# Altium PCB RTM_SFP.PcbDoc (part 4 of 17) (continued)
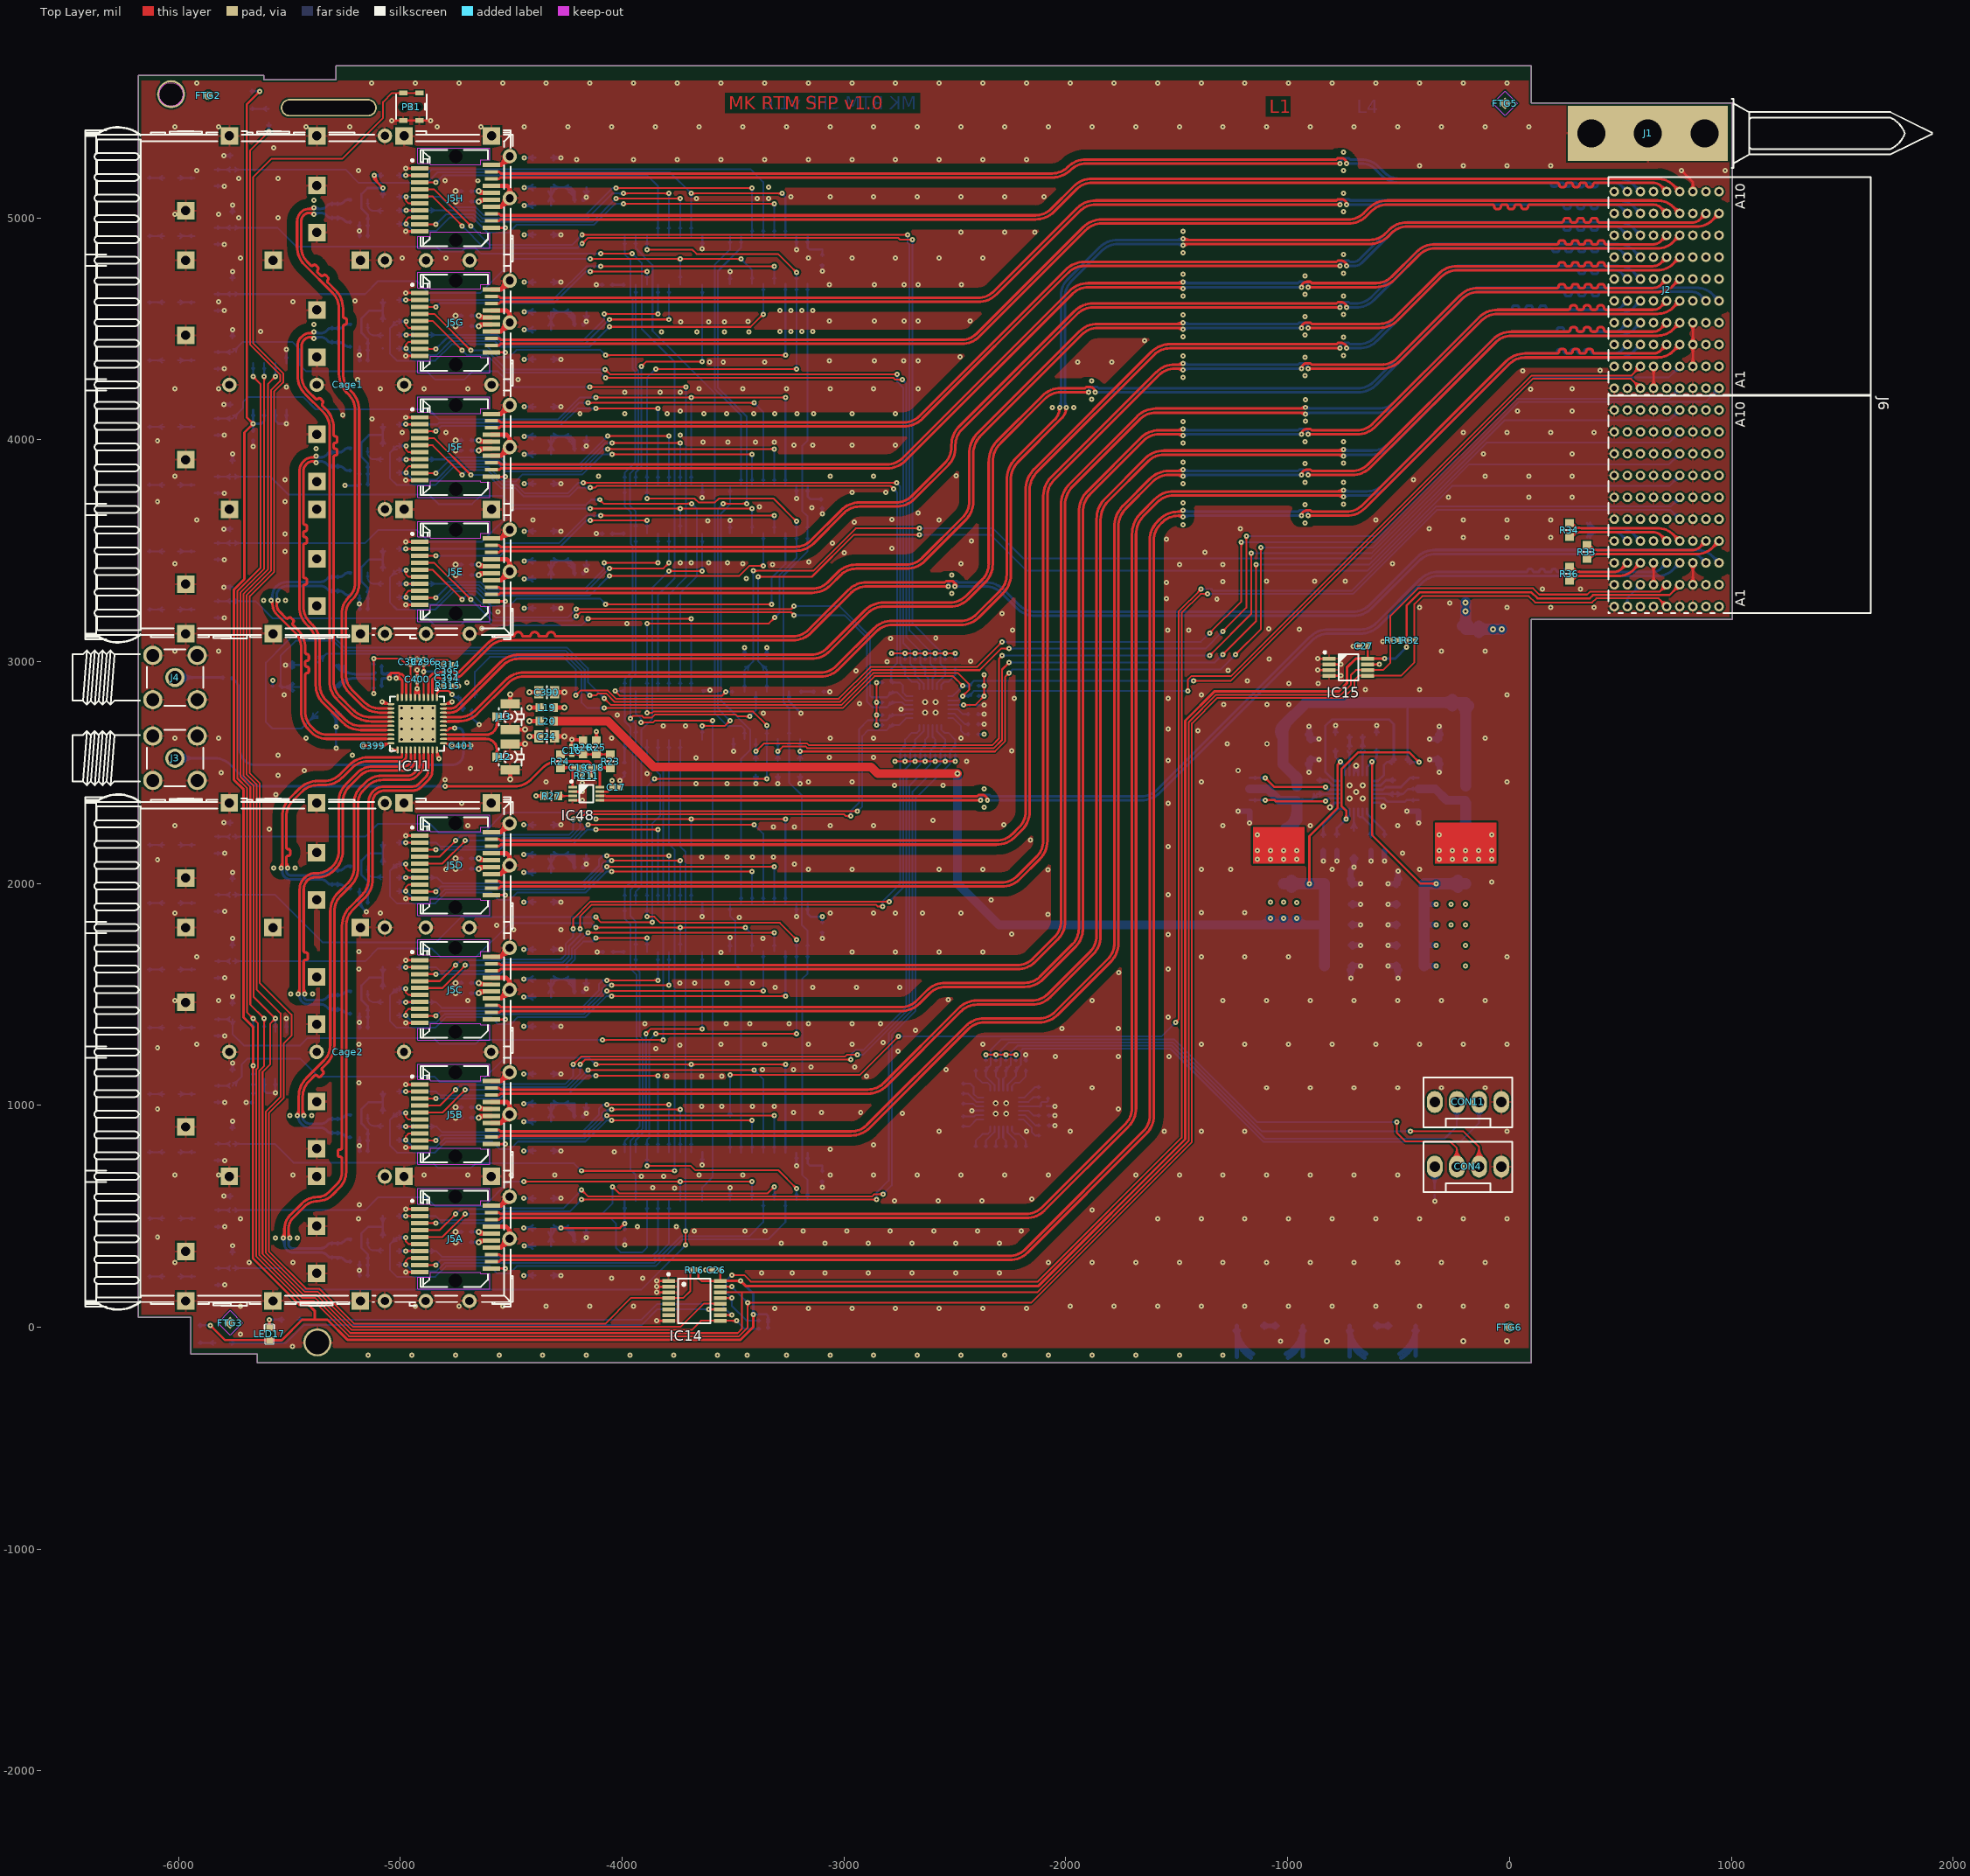
[diagram p0: Top Layer view]
## Nets (pads, with @x,y where several pads share a name; then routed paths per layer and width w, separated by ;. In a path a pad name is that pad's centre, name@x,y a point inside that pad or via, vN(x,y) a via of type N, cw(c..) or ccw(c..) an arc to the next point about the centre after c; other vN are vias at no path point) (continued)
C186D.2@-4168.45,2080.13 ; C186E.2@-4179.13,3392.91 v1@-4161.42,3410.63 ; C186E.2@-4179.13,3400.12 ccw(c-4179.13,3417.51) -4166.83,3405.21 ccw(c-4154.54,3392.91) C186E.2@-4171.93,3392.91 ; C186F.2@-4179.13,3953.94 v1@-4161.42,3971.65 ; C186F.2@-4179.13,3960.75 ccw(c-4179.13,3977.19) C186F.2@-4167.51,3965.56 ; C186G.2@-4179.13,4514.96 v1@-4161.42,4532.68 ; C186G.2@-4179.13,4521.77 ccw(c-4179.13,4538.21) C186G.2@-4167.51,4526.59 ; C186H.2@-4179.13,5075.98 v1(-4161.42,5093.7) ; C186H.2@-4179.13,5083.19 ccw(c-4179.13,5100.58) -4166.84,5088.28 ccw(c-4154.53,5075.98) C186H.2@-4171.93,5075.98 ; C186H.2@-4177.27,5082.94 ccw(c-4174.74,5092.39) C186H.2@-4169.85,5083.92 ; C186B.2@-4176.41,953.49 ccw(c-4184.15,966.9) v1@-4168.75,965.28 ; C186C.2@-4176.41,1514.52 ccw(c-4184.15,1527.93) v1@-4168.75,1526.3 ; C186D.2@-4176.41,2075.54 ccw(c-4184.15,2088.95) v1@-4168.75,2087.32 ; C186A.2@-4176.37,392.61 ccw(c-4184.79,407.2) v1@-4168.15,404.6 ; C186F.2@-4175.89,3960.72 ccw(c-4184.21,3975.13) v1@-4167.76,3972.66 ; C186G.2@-4175.89,4521.75 ccw(c-4184.21,4536.15) v1@-4167.76,4533.69 ; C186E.2@-4175.69,3400.1 ccw(c-4183.76,3414.06) v1@-4167.77,3411.93 ; C186H.2@-4175.62,5083.21 ccw(c-4183.17,5096.28) v1@-4168.18,5094.5 ; C186B.2@-4174.47,955.51 cw(c-4167.14,948.18) v1@-4164.02,958.06 ; C186C.2@-4174.47,1516.53 cw(c-4167.14,1509.2) v1@-4164.02,1519.09 ; C186D.2@-4174.47,2077.55 cw(c-4167.14,2070.22) v1@-4164.02,2080.11 ; C186A.2@-4174.17,394.68 cw(c-4166.96,387.47) v1@-4163.64,397.11 ; C186F.2@-4173.71,3962.78 cw(c-4166.52,3955.6) v1@-4163.23,3965.21 ; C186G.2@-4173.71,4523.81 cw(c-4166.52,4516.62) v1@-4163.23,4526.23 ; C186H.2@-4173.6,5085.1 cw(c-4166.94,5078.44) v1@-4163.74,5087.3 ; C186E.2@-4173.53,3402.13 cw(c-4166.39,3394.99) v1@-4163.19,3404.57 ; C13A.2@-4172.48,428.86 cw(c-4197.75,403.53) v1@-4161.98,403.53 ; C13B.2@-4172.48,989.88 cw(c-4197.75,964.56) v1(-4161.98,964.56) ; C13C.2@-4172.48,1550.91 cw(c-4197.75,1525.58) v1@-4161.98,1525.58 ; C13D.2@-4172.48,2111.93 cw(c-4197.75,2086.6) v1(-4161.98,2086.61) cw(c-4128.66,2086.6) C13D.2@-4150.94,2111.37 ; C186A.2@-4172.35,384.86 cw(c-4157.14,383.63) v1@-4164.77,396.85 ; C186A.2@-4172.32,385.43 cw(c-4153.6,385.43) v1@-4166.84,398.67 ; C186A.2@-4172.34,389.15 cw(c-4158.97,381.43) v1@-4160.67,396.77 ; C186B.2@-4172.17,948.32 cw(c-4160.49,951.45) C186B.2@-4170.97,957.5 ; C186C.2@-4172.17,1509.35 cw(c-4160.49,1512.48) C186C.2@-4170.97,1518.52 ; C186D.2@-4172.17,2070.37 cw(c-4160.49,2073.5) C186D.2@-4170.97,2079.55 ; C13E.2@-4172.19,3435.67 cw(c-4195.9,3410.63) v1@-4161.42,3410.63 ; C13F.2@-4172.19,3996.69 cw(c-4195.9,3971.66) v1@-4161.42,3971.66 ; C13G.2@-4172.19,4557.72 cw(c-4195.9,4532.68) v1@-4161.42,4532.68 ; C186H.2@-4172.17,5077.85 cw(c-4162.72,5080.38) C186H.2@-4171.2,5085.27 ; C13H.2@-4172.19,5118.74 cw(c-4195.9,5093.7) v1(-4161.42,5093.7) ; C186E.2@-4171.97,3392.18 cw(c-4156.14,3390.56) v1@-4164.09,3404.34 ; C186E.2@-4171.95,3396.35 cw(c-4157.99,3388.29) v1@-4160.12,3404.27 ; C186F.2@-4171.96,3952.92 cw(c-4156.57,3951.59) v1@-4164.29,3964.96 ; C186F.2@-4171.94,3957.18 cw(c-4158.41,3949.37) v1@-4160.23,3964.89 ; C186G.2@-4171.96,4513.94 cw(c-4156.57,4512.61) v1@-4164.29,4525.99 ; C186G.2@-4171.94,4518.2 cw(c-4158.41,4510.39) v1@-4160.23,4525.91 ; C186H.2@-4171.96,5075.36 cw(c-4157.11,5074.06) v1@-4164.56,5086.97 ; C186B.2@-4171.93,946.19 cw(c-4157.68,945.65) v1@-4164.81,958.01 ; C186B.2@-4171.93,946.46 cw(c-4152.25,946.46) v1@-4166.17,960.37 ; C186C.2@-4171.93,1507.21 cw(c-4157.68,1506.68) v1@-4164.81,1519.03 ; C186C.2@-4171.93,1507.48 cw(c-4152.25,1507.48) v1@-4166.17,1521.39 ; C186D.2@-4171.93,2068.23 cw(c-4157.68,2067.7) v1@-4164.81,2080.06 ; C186D.2@-4171.93,2068.5 cw(c-4152.25,2068.5) v1@-4166.17,2082.42 ; C186F.2@-4171.93,3953.54 cw(c-4153.58,3953.54) v1@-4166.56,3966.52 ; C186G.2@-4171.93,4514.57 cw(c-4153.58,4514.57) v1@-4166.56,4527.54 ; C186H.2@-4171.91,5079.5 cw(c-4158.84,5071.95) v1@-4160.61,5086.94 ; C186B.2@-4171.7,950.78 cw(c-4159.35,943.65) v1@-4161.13,957.8 ; C186C.2@-4171.7,1511.81 cw(c-4159.35,1504.68) v1@-4161.13,1518.83 ; C186D.2@-4171.7,2072.83 cw(c-4159.35,2065.7) v1@-4161.13,2079.85 ; C186H.2@-4170.52,5086.16 cw(c-4165.68,5077.78) v1@-4163.18,5087.12 ; C186A.2@-4170.35,391.26 ccw(c-4177.45,398.36) v1@-4167.9,401.45 ; C186H.2@-4170.01,5081.52 ccw(c-4176.67,5088.17) v1@-4167.82,5091.38 ; C186F.2@-4169.94,3959.31 ccw(c-4177.05,3966.42) v1@-4167.5,3969.54 ; C186G.2@-4169.94,4520.33 ccw(c-4177.05,4527.44) v1@-4167.5,4530.56 ; C186E.2@-4169.92,3398.51 ccw(c-4177.06,3405.65) v1@-4167.48,3408.86 ; C186B.2@-4169.67,954.29 ccw(c-4179.38,959.9) v1@-4168.56,962.8 ; C186C.2@-4169.67,1515.32 ccw(c-4179.38,1520.92) v1@-4168.56,1523.82 ; C186D.2@-4169.67,2076.34 ccw(c-4179.38,2081.94) v1@-4168.56,2084.84 ; C186H.2@-4168.96,5084.6 ccw(c-4177.34,5089.44) v1@-4168,5091.94 ; v1@-4167.87,967.96 ccw(c-4182.11,976.18) -4166.23,980.44 ccw(c-4150.35,984.7) v1@-4158.57,970.46 ; v1@-4167.87,1528.99 ccw(c-4182.11,1537.21) -4166.23,1541.46 ccw(c-4150.35,1545.72) v1@-4158.57,1531.48 ; v1@-4167.87,2090.01 ccw(c-4182.11,2098.23) -4166.23,2102.49 ccw(c-4150.35,2106.75) v1@-4158.57,2092.51 ; v1@-4167.32,406.95 ccw(c-4179.95,414.24) -4165.86,418.02 ; v1@-4167.32,5097.11 ccw(c-4181.56,5105.33) -4165.67,5109.59 ccw(c-4149.79,5113.84) v1@-4158.01,5099.6 ; v1@-4166.92,3414.43 ccw(c-4179.74,3421.83) -4165.44,3425.66 ; v1@-4166.92,3975.06 ccw(c-4180.04,3982.63) -4165.41,3986.55 ; v1@-4166.92,4536.08 ccw(c-4180.04,4543.66) -4165.41,4547.58 ; C13A.2@-4166.54,420.55 ccw(c-4148.86,425.29) v1@-4158.01,409.44 ; C13E.2@-4166.05,3427.9 ccw(c-4148.57,3432.59) v1@-4157.62,3416.92 ; C13F.2@-4165.88,3988.32 ccw(c-4148.75,3992.91) v1@-4157.62,3977.55 ; C13G.2@-4165.88,4549.35 ccw(c-4148.75,4553.94) v1@-4157.62,4538.58 ; v1@-4165.38,970.46 ccw(c-4173.6,984.7) -4157.72,980.44 ccw(c-4141.84,976.18) v1@-4156.08,967.96 ; v1@-4165.38,1531.48 ccw(c-4173.6,1545.72) -4157.72,1541.47 ccw(c-4141.84,1537.21) v1@-4156.08,1528.99 ; v1@-4165.38,2092.51 ccw(c-4173.6,2106.75) -4157.72,2102.49 ccw(c-4141.84,2098.23) v1@-4156.08,2090.01 ; v1@-4164.82,409.44 ccw(c-4172.13,422.09) -4158.02,418.31 ; v1@-4164.82,5099.6 ccw(c-4173.04,5113.84) -4157.16,5109.58 ccw(c-4141.28,5105.33) v1@-4155.52,5097.11 ; v1@-4164.43,3416.92 ccw(c-4172.17,3430.34) -4157.21,3426.33 ; v1@-4164.43,3977.55 ccw(c-4172,3990.67) -4157.37,3986.75 ; v1@-4164.43,4538.58 ccw(c-4172,4551.69) -4157.37,4547.77 ; C13A.2@-4161.98,446.84 v1@-4161.98,403.54 ; C13B.2@-4161.98,1007.87 v1(-4161.98,964.56) ; C13C.2@-4161.98,1568.89 v1(-4161.98,1525.58) ; C13E.2@-4161.42,3453.94 v1@-4161.42,3410.63 ; C13F.2@-4161.42,4014.96 v1@-4161.42,3971.65 ; C13G.2@-4161.42,4575.98 v1@-4161.42,4532.68 ; C13H.2@-4161.42,5137.01 v1(-4161.42,5093.7) ; C13A.2@-4157.75,419.29 ccw(c-4143.63,415.5) v1@-4155.76,407.34 ; C13F.2@-4156.97,3988.26 ccw(c-4140.47,3983.84) v1@-4155.16,3975.13 ; C13G.2@-4156.97,4549.28 ccw(c-4140.47,4544.86) v1@-4155.16,4536.15 ; C13E.2@-4156.92,3427.4 ccw(c-4140.66,3423.05) v1@-4155.16,3414.49 ; C13A.2@-4150.94,428.3 ccw(c-4128.66,403.53) v1@-4161.98,403.53 ; C13B.2@-4150.94,989.33 ccw(c-4128.66,964.56) v1(-4161.98,964.56) ; C13C.2@-4150.94,1550.35 ccw(c-4128.66,1525.58) v1@-4161.98,1525.58 ; C13E.2@-4150.64,3435.67 ccw(c-4126.94,3410.63) v1@-4161.42,3410.63 ; C13F.2@-4150.64,3996.69 ccw(c-4126.94,3971.66) v1@-4161.42,3971.66 ; C13G.2@-4150.64,4557.72 ccw(c-4126.94,4532.68) v1@-4161.42,4532.68 ; C13H.2@-4150.64,5118.74 ccw(c-4126.94,5093.7) v1(-4161.42,5093.7) ; v1(-4116.14,4698.43) C6.2@-4085.04,4698.43 ; v1(-4116.05,3576.47) C7.2@-4085.04,3576.47 ; v1(-4112.5,1691.43) C22.2@-4081.5,1691.43 ; C7.2@-4090.13,3571.38 ccw(c-4102.43,3559.08) -4102.43,3576.47 ccw(c-4102.43,3593.87) C7.2@-4090.13,3581.57 ; C6.2@-4090.13,4693.33 ccw(c-4102.43,4681.03) -4102.43,4698.43 ccw(c-4102.43,4715.82) C6.2@-4090.13,4703.52 ; C22.2@-4086.59,1686.33 ccw(c-4098.89,1674.03) -4098.89,1691.43 ccw(c-4098.89,1708.82) C22.2@-4086.59,1696.52 ; v1(-4009.45,2464.17) -3990.16,2483.46 C1.2@-3990.16,2503.94 ; C1.2@-3995.25,2498.84 cw(c-4007.55,2486.54) -3990.16,2486.54 cw(c-3972.76,2486.54) C1.2@-3985.06,2498.84 ; C2.2@-3993.87,396.09 cw(c-4006.65,383.31) -3988.58,383.31 ; v1(-3988.58,370.47) C2.2@-3988.58,400.98 ; -3988.58,384.26 cw(c-3971.86,384.26) C2.2@-3983.69,396.09 ; IC8.8@-3643.73,756.43 cw(c-3655.68,744.48) -3638.78,744.48 cw(c-3621.88,744.48) IC8.8@-3633.83,756.43 ; IC6.8@-3643.73,1878.48 cw(c-3655.68,1866.53) -3638.78,1866.53 cw(c-3621.88,1866.53) IC6.8@-3633.83,1878.48 ; IC4.8@-3643.73,3763.52 cw(c-3655.68,3751.57) -3638.78,3751.57 cw(c-3621.88,3751.57) IC4.8@-3633.83,3763.52 ; IC3.8@-3643.73,4885.57 cw(c-3655.68,4873.62) -3638.78,4873.62 cw(c-3621.88,4873.62) IC3.8@-3633.83,4885.57 ; v1(-3638.78,731.9) IC8.8@-3638.78,789.38 ; v1(-3638.78,1850.2) IC6.8@-3638.78,1911.43 ; IC10.8@-3638.78,2871.06 v1(-3604.13,2871.06) ; v1(-3638.78,3738.99) IC4.8@-3638.78,3796.47 ; v1(-3638.78,4861.04) IC3.8@-3638.78,4918.52 ; IC10.8@-3633.83,2862.18 cw(c-3612.38,2840.72) v1@-3612.38,2871.06 ; -3623.98,2867.95 cw(c-3618.81,2848.68) v1@-3607.87,2865.37 ; IC9.8@-3518.99,596.6 ccw(c-3530.62,608.22) -3514.17,608.22 ccw(c-3497.73,608.22) IC9.8@-3509.36,596.6 ; IC7.8@-3518.99,1718.64 ccw(c-3530.62,1730.27) -3514.17,1730.27 ccw(c-3497.73,1730.27) IC7.8@-3509.36,1718.64 ; IC5.8@-3518.99,3603.69 ccw(c-3530.62,3615.32) -3514.17,3615.32 ccw(c-3497.73,3615.32) IC5.8@-3509.36,3603.69 ; IC2.8@-3518.99,4725.74 ccw(c-3530.62,4737.37) -3514.17,4737.37 ccw(c-3497.73,4737.37) IC2.8@-3509.36,4725.74 ; IC9.8@-3514.17,573.08 v1(-3514.17,629.77) ; IC7.8@-3514.17,1695.13 v1(-3514.17,1756.36) ; IC5.8@-3514.17,3580.17 v1(-3514.17,3636.87) ; IC2.8@-3514.17,4702.22 v1(-3514.17,4758.91) ; IC1.7@-3502.85,2628.06 cw(c-3514.47,2616.43) -3498.03,2616.43 cw(c-3481.59,2616.43) IC1.7@-3493.22,2628.06 ; v1(-3498.03,2594.88) IC1.7@-3498.03,2651.57 ; R2.1@-3457.02,3034.58 ccw(c-3478.73,3056.29) -3448.03,3056.29 ccw(c-3417.33,3056.29) R2.1@-3439.04,3034.58 ; v1@-3453.76,3060.1 cw(c-3470.49,3049.33) -3451.28,3044.18 ; v1@-3451.44,3057.88 cw(c-3456.35,3049.37) -3446.86,3051.91 ; -3449.2,3051.91 cw(c-3439.71,3049.37) v1@-3444.63,3057.88 ; R2.1@-3448.03,3025.59 v1(-3448.03,3063.78) ; -3444.79,3044.18 cw(c-3425.57,3049.33) v1@-3442.3,3060.1 ; R3.1@-3406.63,2481.17 cw(c-3428.34,2459.46) -3397.64,2459.46 cw(c-3366.94,2459.46) R3.1@-3388.65,2481.17 ; v1@-3403.34,2452.93 ccw(c-3421.48,2464.77) -3400.56,2470.37 ; v1(-3397.64,2449.21) R3.1@-3397.64,2490.16 ; -3394.71,2470.37 ccw(c-3373.8,2464.77) v1@-3391.93,2452.93 ; R5.1@-3357.02,3034.58 ccw(c-3378.73,3056.29) -3348.03,3056.29 ccw(c-3317.33,3056.29) R5.1@-3339.04,3034.58 ; v1@-3353.76,3060.1 cw(c-3370.49,3049.33) -3351.28,3044.18 ; v1@-3351.44,3057.88 cw(c-3356.35,3049.37) -3346.86,3051.91 ; -3349.2,3051.91 cw(c-3339.71,3049.37) v1@-3344.63,3057.88 ; R5.1@-3348.03,3025.59 v1(-3348.03,3063.78) ; -3344.79,3044.18 cw(c-3325.57,3049.33) v1@-3342.3,3060.1 ; R13.1@-3307.02,2481.17 cw(c-3328.73,2459.46) -3298.03,2459.46 cw(c-3267.33,2459.46) R13.1@-3289.04,2481.17 ; v1@-3303.74,2452.93 ccw(c-3321.87,2464.77) -3300.96,2470.37 ; v1(-3298.03,2449.21) R13.1@-3298.03,2490.16 ; -3295.11,2470.37 ccw(c-3274.19,2464.77) v1@-3292.33,2452.93 ; IC1.13@-3252.85,2840.66 cw(c-3264.47,2829.03) -3248.03,2829.03 cw(c-3231.59,2829.03) IC1.13@-3243.22,2840.66 ; IC1.13@-3248.03,2864.17 -3248.03,2820.47 v1(-3194.09,2766.54) ; IC9.15@-3218.99,762.16 cw(c-3230.62,750.53) -3214.17,750.53 cw(c-3197.73,750.53) IC9.15@-3209.36,762.16 ; IC7.15@-3218.99,1884.21 cw(c-3230.62,1872.58) -3214.17,1872.58 cw(c-3197.73,1872.58) IC7.15@-3209.36,1884.21 ; IC5.15@-3218.99,3769.26 cw(c-3230.62,3757.63) -3214.17,3757.63 cw(c-3197.73,3757.63) IC5.15@-3209.36,3769.26 ; IC2.15@-3218.99,4891.3 cw(c-3230.62,4879.68) -3214.17,4879.68 cw(c-3197.73,4879.68) IC2.15@-3209.36,4891.3 ; v1(-3214.17,728.2) IC9.15@-3214.17,785.68 ; v1(-3214.17,1850.24) IC7.15@-3214.17,1907.72 ; v1(-3214.17,3735.29) IC5.15@-3214.17,3792.77 ; v1(-3214.17,4857.34) IC2.15@-3214.17,4914.82 ; R4.1@-3207.02,2481.17 cw(c-3228.73,2459.46) -3198.03,2459.46 cw(c-3167.33,2459.46) R4.1@-3189.04,2481.17 ; v1@-3203.74,2452.93 ccw(c-3221.87,2464.77) -3200.96,2470.37 ; v1(-3198.03,2449.21) R4.1@-3198.03,2490.16 ; -3195.11,2470.37 ccw(c-3174.19,2464.77) v1@-3192.33,2452.93 ; C3.2@-3103.52,656.57 cw(c-3115.82,644.27) -3098.43,644.27 cw(c-3081.03,644.27) C3.2@-3093.33,656.57 ; C4.2@-3103.52,1778.61 cw(c-3115.82,1766.32) -3098.43,1766.32 cw(c-3081.03,1766.32) C4.2@-3093.33,1778.61 ; C20.2@-3103.52,3691.22 cw(c-3115.82,3678.92) -3098.43,3678.92 cw(c-3081.03,3678.92) C20.2@-3093.33,3691.22 ; C8.2@-3103.52,4785.71 cw(c-3115.82,4773.41) -3098.43,4773.41 cw(c-3081.03,4773.41) C8.2@-3093.33,4785.71 ; v1(-3098.43,630.56) C3.2@-3098.43,661.66 ; v1(-3098.43,1752.61) C4.2@-3098.43,1783.71 ; v1(-3098.43,3665.21) C20.2@-3098.43,3696.32 ; v1(-3098.43,4759.7) C8.2@-3098.43,4790.8 ; C23.2@-3096.06,2864.17 v1(-3064.96,2864.17) ; C23.2@-3090.97,2859.08 cw(c-3078.67,2846.78) -3078.67,2864.17 cw(c-3078.67,2881.57) C23.2@-3090.97,2869.27 ; v1(-2742.53,2784.26) IC39.9@-2691.68,2784.26 ; v1(-2424.08,975.98) IC40.9@-2373.23,975.98 ; C404.1@-2403.15,2803.94 v1(-2368.11,2803.94) ; R327.1@-2399.21,2717.72 v1(-2368.11,2717.72) ; R326.1@-2399.21,2762.8 v1(-2368.11,2762.8) ; R327.1@-2394.4,2712.9 cw(c-2382.77,2701.27) -2382.77,2717.72 cw(c-2382.77,2734.16) R327.1@-2394.4,2722.53 ; R326.1@-2394.4,2757.98 cw(c-2382.77,2746.35) -2382.77,2762.8 cw(c-2382.77,2779.24) R326.1@-2394.4,2767.61 ; R349.1@-2185.19,1202.45 ccw(c-2196.81,1214.07) -2180.37,1214.07 ccw(c-2163.93,1214.07) R349.1@-2175.55,1202.45 ; R349.1@-2180.37,1197.63 v1(-2180.37,1228.73) ; C402.1@-2084.7,995.67 v1(-2049.66,995.67) ; R348.1@-2080.76,909.44 v1(-2049.66,909.44) ; R347.1@-2080.76,954.52 v1(-2049.66,954.52) ; R348.1@-2075.95,904.62 cw(c-2064.32,893) -2064.32,909.44 cw(c-2064.32,925.88) R348.1@-2075.95,914.26 ; R347.1@-2075.95,949.7 cw(c-2064.32,938.08) -2064.32,954.52 cw(c-2064.32,970.96) R347.1@-2075.95,959.34 ; v2(-809.84,2343.7) -790.16,2363.39 IC16.19@-768.11,2363.39 ; v2@-801.36,2341.43 cw(c-767.73,2332.42) IC16.19@-785.14,2362.57 ; -798.94,2354.6 cw(c-779.92,2335.58) IC16.19@-779.92,2362.48 ; R248.1@-792.85,2681.43 ccw(c-814.56,2703.14) -783.86,2703.14 ccw(c-753.16,2703.14) R248.1@-774.87,2681.43 ; v1@-789.58,2707.72 cw(c-806.71,2696.65) -787.01,2691.38 ; R248.1@-783.86,2670.47 v1(-783.86,2711.42) ; -780.71,2691.38 cw(c-761,2696.65) v1@-778.14,2707.72 ; IC16.3@-701.63,2501.97 ccw(c-708.45,2513.77) -695.28,2510.24 ; IC16.3@-701.18,2489.37 -701.18,2521.26 v2(-691.34,2531.1) -681.5,2521.26 IC16.4@-681.5,2489.37 ; v2@-698.1,2525.5 cw(c-710.78,2515.01) -696.81,2506.3 ; -687.4,2510.24 ccw(c-674.23,2513.77) IC16.4@-681.04,2501.97 ; -685.86,2506.3 cw(c-671.9,2515.01) v2@-684.58,2525.5 ; IC16.12@-614.57,2363.39 -584.65,2363.39 v2(-568.9,2347.64) ; R18.1@-607.81,2681.43 ccw(c-629.52,2703.14) -598.82,2703.14 ccw(c-568.12,2703.14) R18.1@-589.83,2681.43 ; v1@-604.54,2707.72 cw(c-621.67,2696.65) -601.97,2691.38 ; R18.1@-598.82,2670.47 v1(-598.82,2711.42) ; -595.67,2691.38 cw(c-575.96,2696.65) v1@-593.1,2707.72 ; v1(-337.02,567.31) C403.1@-337.02,596.06 ; -5810.14,3197.84 cw(c-5810.14,3181.39) -5798.52,3193.02 ccw(c-5810.14,3181.39) -5810.14,3197.84 ; -5810.14,3197.84 ccw(c-5810.14,3214.28) -5798.52,3202.65 cw(c-5810.14,3214.28) -5810.14,3197.84 ; -5810.14,3459.65 cw(c-5810.14,3443.2) -5798.52,3454.83 ccw(c-5810.14,3443.2) -5810.14,3459.65 ; -5810.14,3459.65 ccw(c-5810.14,3476.09) -5798.52,3464.46 cw(c-5810.14,3476.09) -5810.14,3459.65 ; -5810.14,3758.86 cw(c-5810.14,3742.42) -5798.52,3754.04 ccw(c-5810.14,3742.42) -5810.14,3758.86 ; -5810.14,3758.86 ccw(c-5810.14,3775.3) -5798.52,3763.67 cw(c-5810.14,3775.3) -5810.14,3758.86 ; -5810.14,4020.67 cw(c-5810.14,4004.23) -5798.52,4015.85 ccw(c-5810.14,4004.23) -5810.14,4020.67 ; -5810.14,4020.67 ccw(c-5810.14,4037.11) -5798.52,4025.49 cw(c-5810.14,4037.11) -5810.14,4020.67 ; -5810.14,4319.88 cw(c-5810.14,4303.44) -5798.52,4315.07 ccw(c-5810.14,4303.44) -5810.14,4319.88 ; -5810.14,4319.88 ccw(c-5810.14,4336.33) -5798.52,4324.7 cw(c-5810.14,4336.33) -5810.14,4319.88 ; -5810.14,4581.69 cw(c-5810.14,4565.25) -5798.52,4576.88 ccw(c-5810.14,4565.25) -5810.14,4581.69 ; -5810.14,4581.69 ccw(c-5810.14,4598.14) -5798.52,4586.51 cw(c-5810.14,4598.14) -5810.14,4581.69 ; -5810.14,4880.91 cw(c-5810.14,4864.46) -5798.52,4876.09 ccw(c-5810.14,4864.46) -5810.14,4880.91 ; -5810.14,4880.91 ccw(c-5810.14,4897.35) -5798.52,4885.72 cw(c-5810.14,4897.35) -5810.14,4880.91 ; -5810.14,5142.72 cw(c-5810.14,5126.27) -5798.52,5137.9 ccw(c-5810.14,5126.27) -5810.14,5142.72 ; -5810.14,5142.72 ccw(c-5810.14,5159.16) -5798.52,5147.53 cw(c-5810.14,5159.16) -5810.14,5142.72 ; -5809.16,751.97 cw(c-5809.16,735.53) -5797.53,747.15 ccw(c-5809.16,735.53) -5809.16,751.97 ; -5809.16,751.97 ccw(c-5809.16,768.41) -5797.53,756.78 cw(c-5809.16,768.41) -5809.16,751.97 ; -5809.16,1013.78 cw(c-5809.16,997.34) -5797.53,1008.96 ccw(c-5809.16,997.34) -5809.16,1013.78 ; -5809.16,1013.78 ccw(c-5809.16,1030.22) -5797.53,1018.6 cw(c-5809.16,1030.22) -5809.16,1013.78 ; -5809.16,1312.99 cw(c-5809.16,1296.55) -5797.53,1308.18 ccw(c-5809.16,1296.55) -5809.16,1312.99 ; -5809.16,1312.99 ccw(c-5809.16,1329.44) -5797.53,1317.81 cw(c-5809.16,1329.44) -5809.16,1312.99 ; -5809.16,1574.8 cw(c-5809.16,1558.36) -5797.53,1569.99 ccw(c-5809.16,1558.36) -5809.16,1574.8 ; -5809.16,1574.8 ccw(c-5809.16,1591.25) -5797.53,1579.62 cw(c-5809.16,1591.25) -5809.16,1574.8 ; -5809.16,1874.02 cw(c-5809.16,1857.57) -5797.53,1869.2 ccw(c-5809.16,1857.57) -5809.16,1874.02 ; -5809.16,1874.02 ccw(c-5809.16,1890.46) -5797.53,1878.83 cw(c-5809.16,1890.46) -5809.16,1874.02 ; -5809.16,2135.83 cw(c-5809.16,2119.38) -5797.53,2131.01 ccw(c-5809.16,2119.38) -5809.16,2135.83 ; -5809.16,2135.83 ccw(c-5809.16,2152.27) -5797.53,2140.64 cw(c-5809.16,2152.27) -5809.16,2135.83 ; -5808.59,190.9 cw(c-5808.59,174.45) -5796.96,186.08 ccw(c-5808.59,174.45) -5808.59,190.9 ; -5808.59,190.9 ccw(c-5808.59,207.34) -5796.96,195.71 cw(c-5808.59,207.34) -5808.59,190.9 ; -5808.59,452.71 cw(c-5808.59,436.26) -5796.96,447.89 ccw(c-5808.59,436.26) -5808.59,452.71 ; -5808.59,452.71 ccw(c-5808.59,469.15) -5796.96,457.52 cw(c-5808.59,469.15) -5808.59,452.71 ; -5779.23,590.5 cw(c-5779.23,606.95) -5790.85,595.32 ccw(c-5779.23,606.95) -5779.23,590.5 ; -5779.23,590.5 ccw(c-5779.23,574.06) -5790.85,585.69 cw(c-5779.23,574.06) -5779.23,590.5 ; -5779.23,2273.62 cw(c-5779.23,2290.07) -5790.85,2278.44 ccw(c-5779.23,2290.07) -5779.23,2273.62 ; -5779.23,2273.62 ccw(c-5779.23,2257.18) -5790.85,2268.81 cw(c-5779.23,2257.18) -5779.23,2273.62 ; -5779.23,3335.63 cw(c-5779.23,3352.07) -5790.85,3340.45 ccw(c-5779.23,3352.07) -5779.23,3335.63 ; -5779.23,3335.63 ccw(c-5779.23,3319.19) -5790.85,3330.82 cw(c-5779.23,3319.19) -5779.23,3335.63 ; -5779.23,3597.44 cw(c-5779.23,3613.88) -5790.85,3602.26 ccw(c-5779.23,3613.88) -5779.23,3597.44 ; -5779.23,3597.44 ccw(c-5779.23,3581) -5790.85,3592.63 cw(c-5779.23,3581) -5779.23,3597.44 ; -5779.23,4158.46 cw(c-5779.23,4174.91) -5790.85,4163.28 ccw(c-5779.23,4174.91) -5779.23,4158.46 ; -5779.23,4158.46 ccw(c-5779.23,4142.02) -5790.85,4153.65 cw(c-5779.23,4142.02) -5779.23,4158.46 ; -5779.23,5280.51 cw(c-5779.23,5296.95) -5790.85,5285.33 ccw(c-5779.23,5296.95) -5779.23,5280.51 ; -5779.23,5280.51 ccw(c-5779.23,5264.07) -5790.85,5275.7 cw(c-5779.23,5264.07) -5779.23,5280.51 ; -5756.69,351.23 cw(c-5740.25,351.23) -5751.88,362.85 ccw(c-5740.25,351.23) -5756.69,351.23 ; -5756.69,351.23 ccw(c-5773.14,351.23) -5761.51,362.85 cw(c-5773.14,351.23) -5756.69,351.23 ; -5756.69,912.3 cw(c-5740.25,912.3) -5751.88,923.92 ccw(c-5740.25,912.3) -5756.69,912.3 ; -5756.69,912.3 ccw(c-5773.14,912.3) -5761.51,923.92 cw(c-5773.14,912.3) -5756.69,912.3 ; -5756.69,1174.11 cw(c-5740.25,1174.11) -5751.88,1185.73 ccw(c-5740.25,1174.11) -5756.69,1174.11 ; -5756.69,1174.11 ccw(c-5773.14,1174.11) -5761.51,1185.73 cw(c-5773.14,1174.11) -5756.69,1174.11 ; -5756.69,1473.32 cw(c-5740.25,1473.32) -5751.88,1484.95 ccw(c-5740.25,1473.32) -5756.69,1473.32 ; -5756.69,1473.32 ccw(c-5773.14,1473.32) -5761.51,1484.95 cw(c-5773.14,1473.32) -5756.69,1473.32 ; -5756.69,1735.13 cw(c-5740.25,1735.13) -5751.88,1746.76 ccw(c-5740.25,1735.13) -5756.69,1735.13 ; -5756.69,1735.13 ccw(c-5773.14,1735.13) -5761.51,1746.76 cw(c-5773.14,1735.13) -5756.69,1735.13 ; -5756.69,2034.34 cw(c-5740.25,2034.34) -5751.88,2045.97 ccw(c-5740.25,2034.34) -5756.69,2034.34 ; -5756.69,2034.34 ccw(c-5773.14,2034.34) -5761.51,2045.97 cw(c-5773.14,2034.34) -5756.69,2034.34 ; -5756.69,3919.19 cw(c-5740.25,3919.19) -5751.88,3930.81 ccw(c-5740.25,3919.19) -5756.69,3919.19 ; -5756.69,3919.19 ccw(c-5773.14,3919.19) -5761.51,3930.81 cw(c-5773.14,3919.19) -5756.69,3919.19 ; -5756.69,4480.21 cw(c-5740.25,4480.21) -5751.88,4491.84 ccw(c-5740.25,4480.21) -5756.69,4480.21 ; -5756.69,4480.21 ccw(c-5773.14,4480.21) -5761.51,4491.84 cw(c-5773.14,4480.21) -5756.69,4480.21 ; -5756.69,4742.02 cw(c-5740.25,4742.02) -5751.88,4753.65 ccw(c-5740.25,4742.02) -5756.69,4742.02 ; -5756.69,4742.02 ccw(c-5773.14,4742.02) -5761.51,4753.65 cw(c-5773.14,4742.02) -5756.69,4742.02 ; -5756.69,5041.23 cw(c-5740.25,5041.23) -5751.88,5052.86 ccw(c-5740.25,5041.23) -5756.69,5041.23 ; -5756.69,5041.23 ccw(c-5773.14,5041.23) -5761.51,5052.86 cw(c-5773.14,5041.23) -5756.69,5041.23 ; -5678.2,1012.6 cw(c-5678.2,1029.04) -5689.83,1017.41 ccw(c-5678.2,1029.04) -5678.2,1012.6 ; -5678.2,1012.6 ccw(c-5678.2,996.16) -5689.83,1007.78 cw(c-5678.2,996.16) -5678.2,1012.6 ; -5663.8,3986.58 cw(c-5680.24,3986.58) -5668.61,3974.95 ccw(c-5680.24,3986.58) -5663.8,3986.58 ; -5663.8,3986.58 ccw(c-5647.35,3986.58) -5658.98,3974.95 cw(c-5647.35,3986.58) -5663.8,3986.58 ; -5580.24,1056.28 cw(c-5580.24,1039.84) -5568.61,1051.47 ccw(c-5580.24,1039.84) -5580.24,1056.28 ; -5580.24,1056.28 ccw(c-5580.24,1072.73) v1@-5568.61,1061.1 ; -5580.24,1056.28 ccw(c-5580.24,1072.73) v1@-5568.61,1061.1 ; v1@-5568.61,1061.1 ccw(c-5580.24,1072.73) -5563.8,1072.73 ; v1@-5568.61,1061.1 ccw(c-5580.24,1072.73) -5563.8,1072.73 ; -5563.8,1072.73 ccw(c-5547.35,1072.73) -5558.98,1061.1 cw(c-5547.35,1072.73) -5563.8,1072.73 ; -5530.24,4072.03 cw(c-5530.24,4055.59) -5518.61,4067.22 ccw(c-5530.24,4055.59) -5530.24,4072.03 ; -5530.24,4072.03 ccw(c-5530.24,4088.47) v1@-5518.61,4076.85 ; -5530.24,4072.03 ccw(c-5530.24,4088.47) v1@-5518.61,4076.85 ; v1@-5518.61,4076.85 ccw(c-5530.24,4088.47) -5513.8,4088.47 ; v1@-5518.61,4076.85 ccw(c-5530.24,4088.47) -5513.8,4088.47 ; -5513.8,1375.02 cw(c-5497.35,1375.02) -5508.98,1386.65 ccw(c-5497.35,1375.02) -5513.8,1375.02 ; -5513.8,1375.02 ccw(c-5530.24,1375.02) -5518.61,1386.65 cw(c-5530.24,1375.02) -5513.8,1375.02 ; -5513.8,4088.47 ccw(c-5497.35,4088.47) -5508.98,4076.85 cw(c-5497.35,4088.47) -5513.8,4088.47 ; -5513.8,4390.77 cw(c-5497.35,4390.77) -5508.98,4402.4 ccw(c-5497.35,4390.77) -5513.8,4390.77 ; -5513.8,4390.77 ccw(c-5530.24,4390.77) -5518.61,4402.4 cw(c-5530.24,4390.77) -5513.8,4390.77 ; -5501.27,2984.65 cw(c-5501.27,3001.09) -5512.9,2989.46 ccw(c-5501.27,3001.09) -5501.27,2984.65 ; -5501.27,2984.65 ccw(c-5501.27,2968.2) -5512.9,2979.83 cw(c-5501.27,2968.2) -5501.27,2984.65 ; -5289.76,2626.68 cw(c-5306.21,2626.68) -5294.58,2615.05 ccw(c-5306.21,2626.68) -5289.76,2626.68 ; -5289.76,2626.68 ccw(c-5273.32,2626.68) -5284.95,2615.05 cw(c-5273.32,2626.68) -5289.76,2626.68 ; -5233.95,3793.31 cw(c-5233.95,3809.75) -5245.58,3798.12 ccw(c-5233.95,3809.75) -5233.95,3793.31 ; -5233.95,3793.31 ccw(c-5233.95,3776.86) -5245.58,3788.49 cw(c-5233.95,3776.86) -5233.95,3793.31 ; -5184.25,240.2 cw(c-5167.81,240.2) -5179.44,251.83 ccw(c-5167.81,240.2) -5184.25,240.2 ; -5184.25,240.2 ccw(c-5200.69,240.2) -5189.07,251.83 cw(c-5200.69,240.2) -5184.25,240.2 ; -5184.25,273.09 cw(c-5200.69,273.09) -5189.07,261.46 ccw(c-5200.69,273.09) -5184.25,273.09 ; -5184.25,273.09 ccw(c-5167.81,273.09) -5179.44,261.46 cw(c-5167.81,273.09) -5184.25,273.09 ; -5184.25,801.27 cw(c-5167.81,801.27) -5179.44,812.9 ccw(c-5167.81,801.27) -5184.25,801.27 ; -5184.25,801.27 ccw(c-5200.69,801.27) -5189.07,812.9 cw(c-5200.69,801.27) -5184.25,801.27 ; -5184.25,834.16 cw(c-5200.69,834.16) -5189.07,822.53 ccw(c-5200.69,834.16) -5184.25,834.16 ; -5184.25,834.16 ccw(c-5167.81,834.16) -5179.44,822.53 cw(c-5167.81,834.16) -5184.25,834.16 ; -5184.25,1358.36 cw(c-5167.81,1358.36) -5179.44,1369.99 ccw(c-5167.81,1358.36) -5184.25,1358.36 ; -5184.25,1358.36 ccw(c-5200.69,1358.36) -5189.07,1369.99 cw(c-5200.69,1358.36) -5184.25,1358.36 ; -5184.25,1391.25 cw(c-5200.69,1391.25) -5189.07,1379.62 ccw(c-5200.69,1391.25) -5184.25,1391.25 ; -5184.25,1391.25 ccw(c-5167.81,1391.25) -5179.44,1379.62 cw(c-5167.81,1391.25) -5184.25,1391.25 ; -5184.25,3244.19 cw(c-5167.81,3244.19) -5179.44,3255.81 ccw(c-5167.81,3244.19) -5184.25,3244.19 ; -5184.25,3244.19 ccw(c-5200.69,3244.19) -5189.07,3255.81 cw(c-5200.69,3244.19) -5184.25,3244.19 ; -5184.25,3277.07 cw(c-5200.69,3277.07) -5189.07,3265.45 ccw(c-5200.69,3277.07) -5184.25,3277.07 ; -5184.25,3277.07 ccw(c-5167.81,3277.07) -5179.44,3265.45 cw(c-5167.81,3277.07) -5184.25,3277.07 ; -5184.25,4364.66 cw(c-5167.81,4364.66) -5179.44,4376.29 ccw(c-5167.81,4364.66) -5184.25,4364.66 ; -5184.25,4364.66 ccw(c-5200.7,4364.66) -5189.07,4376.29 cw(c-5200.7,4364.66) -5184.25,4364.66 ; -5184.25,4397.55 cw(c-5200.7,4397.55) -5189.07,4385.92 ccw(c-5200.7,4397.55) -5184.25,4397.55 ; -5184.25,4397.55 ccw(c-5167.81,4397.55) -5179.44,4385.92 cw(c-5167.81,4397.55) -5184.25,4397.55 ; -5184.25,4925.29 cw(c-5167.81,4925.29) -5179.44,4936.92 ccw(c-5167.81,4925.29) -5184.25,4925.29 ; -5184.25,4925.29 ccw(c-5200.7,4925.29) -5189.07,4936.92 cw(c-5200.7,4925.29) -5184.25,4925.29 ; -5184.25,4958.18 cw(c-5200.7,4958.18) -5189.07,4946.55 ccw(c-5200.7,4958.18) -5184.25,4958.18 ; -5184.25,4958.18 ccw(c-5167.81,4958.18) -5179.44,4946.55 cw(c-5167.81,4958.18) -5184.25,4958.18 ; -5165.56,1884.86 cw(c-5177.19,1873.23) -5160.75,1873.23 ccw(c-5177.19,1873.23) -5165.56,1884.86 ; -5165.56,1884.86 ccw(c-5153.94,1896.48) -5153.94,1880.04 cw(c-5153.94,1896.48) -5165.56,1884.86 ; -4657.3,2728.16 cw(c-4668.92,2716.54) -4652.48,2716.54 ccw(c-4668.92,2716.54) -4657.3,2728.16 ; -4657.3,2728.16 ccw(c-4645.67,2739.79) -4645.67,2723.35 cw(c-4645.67,2739.79) -4657.3,2728.16 ; -4293.18,233.46 cw(c-4293.18,217.01) -4281.56,228.64 ccw(c-4293.18,217.01) -4293.18,233.46 ; -4293.18,233.46 ccw(c-4293.18,249.9) -4281.56,238.27 cw(c-4293.18,249.9) -4293.18,233.46 ; -4293.18,580.7 cw(c-4293.18,564.26) -4281.56,575.88 ccw(c-4293.18,564.26) -4293.18,580.7 ; -4293.18,580.7 ccw(c-4293.18,597.14) -4281.56,585.52 cw(c-4293.18,597.14) -4293.18,580.7 ; -4293.18,794.48 cw(c-4293.18,778.04) -4281.56,789.66 ccw(c-4293.18,778.04) -4293.18,794.48 ; -4293.18,794.48 ccw(c-4293.18,810.92) -4281.56,799.3 cw(c-4293.18,810.92) -4293.18,794.48 ; -4293.18,1141.72 cw(c-4293.18,1125.28) -4281.56,1136.91 ccw(c-4293.18,1125.28) -4293.18,1141.72 ; -4293.18,1141.72 ccw(c-4293.18,1158.17) -4281.56,1146.54 cw(c-4293.18,1158.17) -4293.18,1141.72 ; -4293.18,1355.5 cw(c-4293.18,1339.06) -4281.56,1350.69 ccw(c-4293.18,1339.06) -4293.18,1355.5 ; -4293.18,1355.5 ccw(c-4293.18,1371.95) -4281.56,1360.32 cw(c-4293.18,1371.95) -4293.18,1355.5 ; -4293.18,1702.75 cw(c-4293.18,1686.31) -4281.56,1697.93 ccw(c-4293.18,1686.31) -4293.18,1702.75 ; -4293.18,1702.75 ccw(c-4293.18,1719.19) -4281.56,1707.56 cw(c-4293.18,1719.19) -4293.18,1702.75 ; -4293.18,1916.53 cw(c-4293.18,1900.08) -4281.56,1911.71 ccw(c-4293.18,1900.08) -4293.18,1916.53 ; -4293.18,1916.53 ccw(c-4293.18,1932.97) -4281.56,1921.34 cw(c-4293.18,1932.97) -4293.18,1916.53 ; -4293.18,2263.77 cw(c-4293.18,2247.33) -4281.56,2258.96 ccw(c-4293.18,2247.33) -4293.18,2263.77 ; -4293.18,2263.77 ccw(c-4293.18,2280.22) -4281.56,2268.59 cw(c-4293.18,2280.22) -4293.18,2263.77 ; -4292.62,3240.55 cw(c-4292.62,3224.11) -4281,3235.74 ccw(c-4292.62,3224.11) -4292.62,3240.55 ; -4292.62,3240.55 ccw(c-4292.62,3256.99) -4281,3245.37 cw(c-4292.62,3256.99) -4292.62,3240.55 ; -4292.62,3587.8 cw(c-4292.62,3571.35) -4281,3582.98 ccw(c-4292.62,3571.35) -4292.62,3587.8